# Altium PCB Goldstrike1_Rev01 2014 06 02 2.PcbDoc (part 5 of 6) (continued)
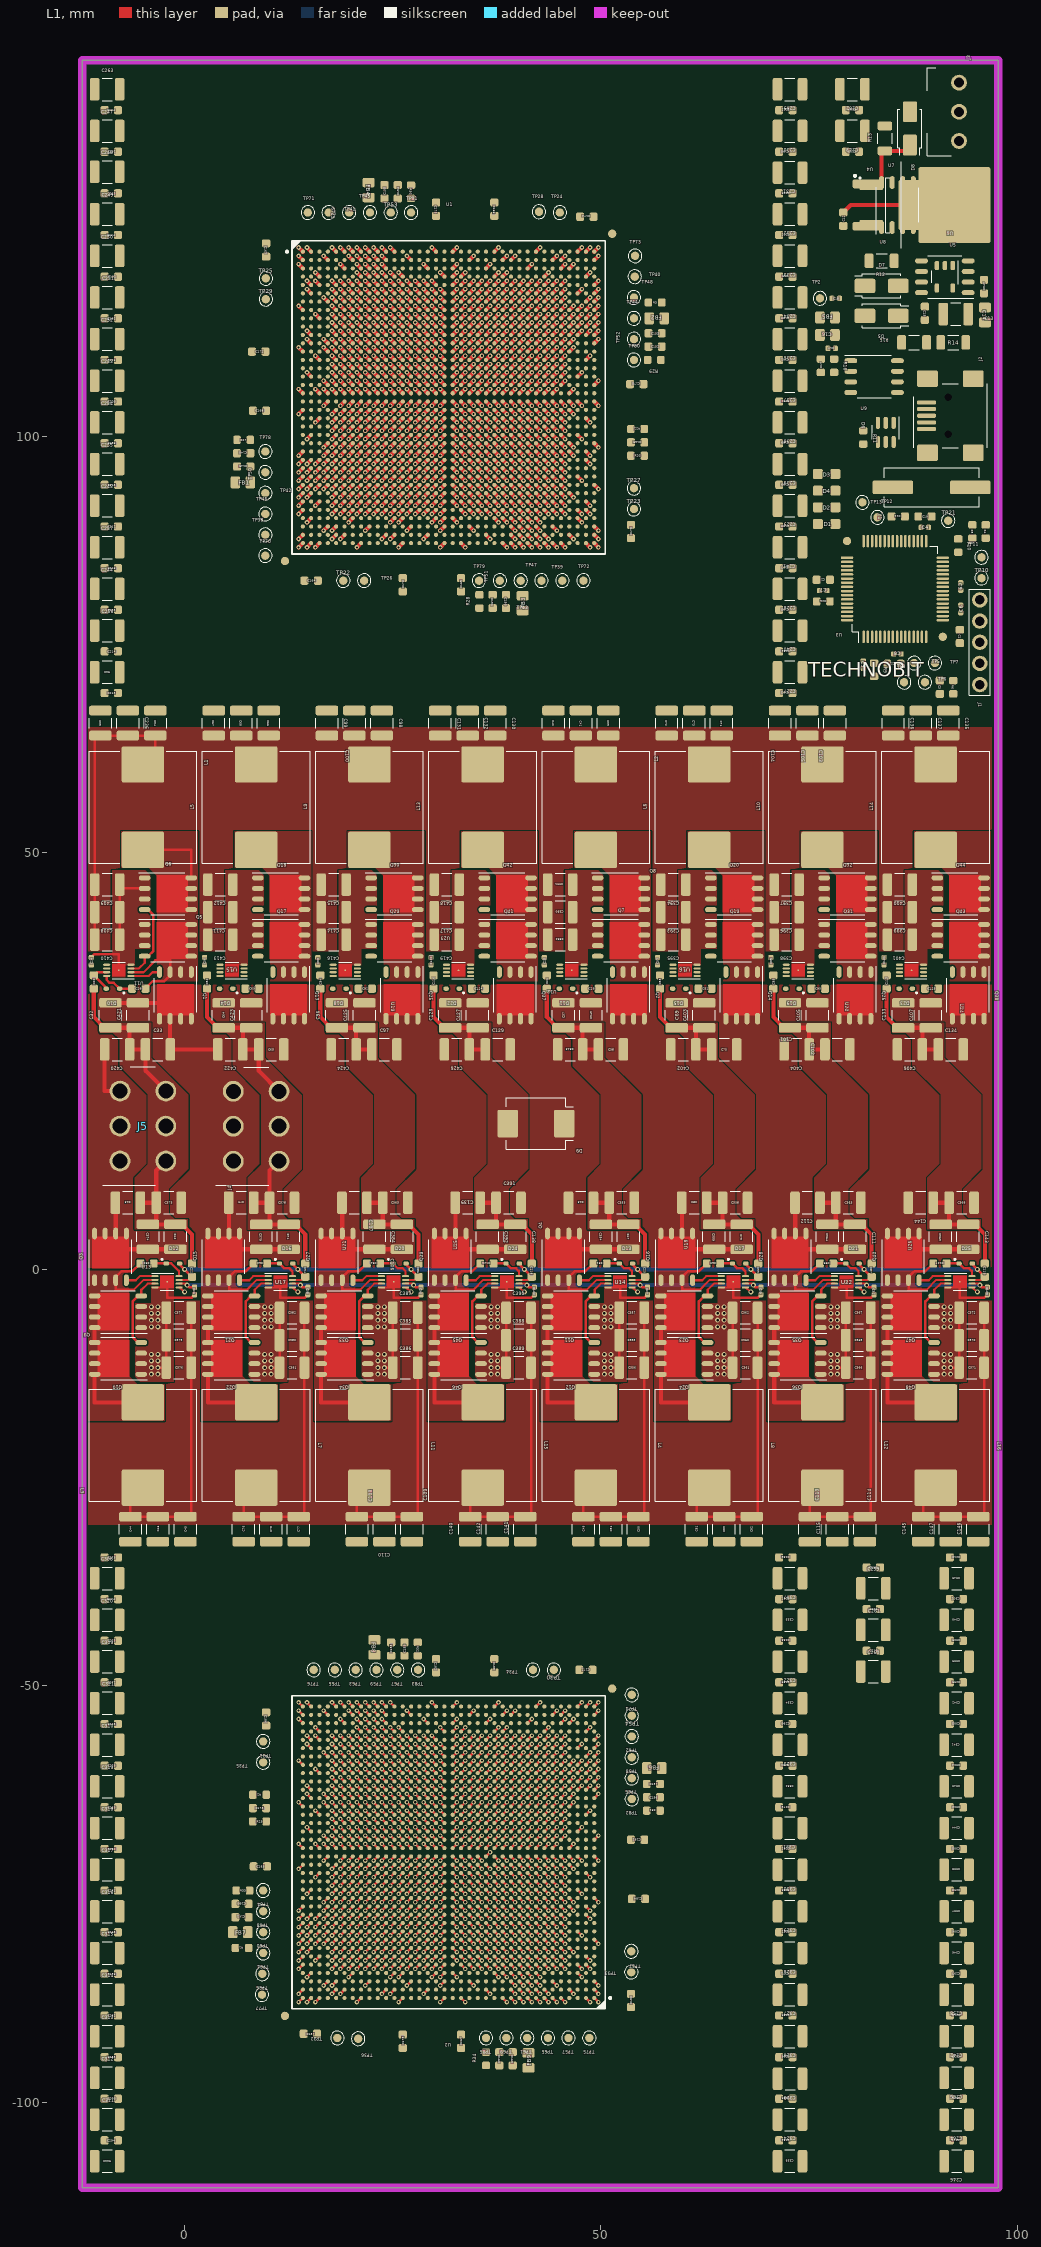
[diagram p0: L1 view]
## Nets (pads, with @x,y where several pads share a name; then routed paths per layer and width w, separated by ;. In a path a pad name is that pad's centre, name@x,y a point inside that pad or via, vN(x,y) a via of type N, cw(c..) or ccw(c..) an arc to the next point about the centre after c; other vN are vias at no path point) (continued)
  L1 w0.3: C24.2@-11.2,37.45 -10.8,37.85 -7.9,37.85 U11.9@-7.9,35.9 ; C410.1@-7.8,39.6 C408.1@-7.8,42.9 C409.1@-7.8,45.735 ; C409.1@-7.8,46.2 C409.1@-7.8,45.735 ; Q6.2@-4.8,45.735 C409.1@-7.8,45.735 ; v2(-3.2,-11.8) C376.1@-2.2,-11.8 C375.1@-2.2,-8.5 C377.1@-2.2,-5.2 ; U13.9@-2.1,-1.5 -2.1,-2.175 -2.1,-3.4 0.85,-3.4 C26.2@1.2,-3.05 ; v2(10.4,-11.8) C381.1@11.4,-11.8 C382.1@11.4,-5.2 ; U17.9@11.5,-1.5 11.5,-2.175 11.5,-3.4 14.45,-3.4 C58.2@14.8,-3.05 ; v1(13.7,-88) U2.A36@14.2,-87.5 ; v1(13.7,-87) U2.B36@14.2,-86.5 ; v1(13.7,-79) U2.K36@14.2,-78.5 ; v1(13.7,-77) U2.M36@14.2,-76.5 ; v1(13.7,-69) U2.W36@14.2,-69.5 ; v1(13.7,-59) U2.AJ36@14.2,-59.5 ; v1(13.7,-53) U2.AR36@14.2,-53.5 ; v1(13.7,-52) U2.AT36@14.2,-52.5 ; v1(14.7,-88) U2.A35@15.2,-87.5 ; v1(14.7,-80) U2.J35@15.2,-79.5 ; v1(14.7,-78) U2.L35@15.2,-77.5 ; v1(14.7,-62) U2.AF35@15.2,-62.5 ; v1(14.7,-56) U2.AM35@15.2,-56.5 ; v1(14.7,-52) U2.AT35@15.2,-52.5 ; v1(15.7,-83) U2.F34@16.2,-82.5 ; v1(15.7,-73) U2.T34@16.2,-72.5 ; v1(15.7,-69) U2.W34@16.2,-69.5 ; v1(15.7,-65) U2.AC34@16.2,-65.5 ; v1(15.7,-55) U2.AN34@16.2,-55.5 ; v1(16.7,-86) U2.C33@17.2,-85.5 ; v1(16.7,-76) U2.N33@17.2,-75.5 ; v1(16.7,-68) U2.Y33@17.2,-68.5 ; v1(16.7,-58) U2.AK33@17.2,-58.5 ; v1(17.7,-87) U2.B32@18.2,-86.5 ; v1(17.7,-83) U2.F32@18.2,-82.5 ; v1(17.7,-81) U2.H32@18.2,-80.5 ; v1(17.7,-79) U2.K32@18.2,-78.5 ; v1(17.7,-77) U2.M32@18.2,-76.5 ; v1(17.7,-75) U2.P32@18.2,-74.5 ; v1(17.7,-73) U2.T32@18.2,-72.5 ; v1(17.7,-72) U2.U32@18.2,-71.5 ; v1(17.7,-69) U2.W32@18.2,-69.5 ; v1(17.7,-67) U2.AA32@18.2,-67.5 ; v1(17.7,-65) U2.AC32@18.2,-65.5 ; v1(17.7,-63) U2.AE32@18.2,-63.5 ; v1(17.7,-61) U2.AG32@18.2,-61.5 ; v1(17.7,-59) U2.AJ32@18.2,-59.5 ; v1(18.7,-82) U2.G31@19.2,-81.5 ; v1(18.7,-80) U2.J31@19.2,-79.5 ; v1(18.7,-78) U2.L31@19.2,-77.5 ; v1(18.7,-76) U2.N31@19.2,-75.5 ; v1(18.7,-74) U2.R31@19.2,-73.5 ; v1(18.7,-72) U2.U31@19.2,-71.5 ; v1(18.7,-68) U2.Y31@19.2,-68.5 ; v1(18.7,-66) U2.AB31@19.2,-66.5 ; v1(18.7,-64) U2.AD31@19.2,-64.5 ; v1(18.7,-62) U2.AF31@19.2,-62.5 ; v1(18.7,-60) U2.AH31@19.2,-60.5 ; v1(18.7,-58) U2.AK31@19.2,-58.5 ; v1(18.7,-56) U2.AM31@19.2,-56.5 ; v1(18.7,-54) U2.AP31@19.2,-54.5 ; v1(19.7,-85) U2.D30@20.2,-84.5 ; v1(19.7,-83) U2.F30@20.2,-82.5 ; v1(19.7,-81) U2.H30@20.2,-80.5 ; v1(19.7,-79) U2.K30@20.2,-78.5 ; v1(19.7,-77) U2.M30@20.2,-76.5 ; v1(19.7,-75) U2.P30@20.2,-74.5 ; v1(19.7,-73) U2.T30@20.2,-72.5 ; v1(19.7,-71) U2.V30@20.2,-70.5 ; v1(19.7,-69) U2.W30@20.2,-69.5 ; v1(19.7,-67) U2.AA30@20.2,-67.5 ; v1(19.7,-65) U2.AC30@20.2,-65.5 ; v1(19.7,-63) U2.AE30@20.2,-63.5 ; v1(19.7,-61) U2.AG30@20.2,-61.5 ; v1(19.7,-59) U2.AJ30@20.2,-59.5 ; v1(19.7,-57) U2.AL30@20.2,-57.5 ; v1(20.7,-88) U2.A29@21.2,-87.5 ; v1(20.7,-84) U2.E29@21.2,-83.5 ; v1(20.7,-82) U2.G29@21.2,-81.5 ; v1(20.7,-80) U2.J29@21.2,-79.5 ; v1(20.7,-78) U2.L29@21.2,-77.5 ; v1(20.7,-76) U2.N29@21.2,-75.5 ; v1(20.7,-74) U2.R29@21.2,-73.5 ; v1(20.7,-72) U2.U29@21.2,-71.5 ; v1(20.7,-68) U2.Y29@21.2,-68.5 ; v1(20.7,-66) U2.AB29@21.2,-66.5 ; v1(20.7,-64) U2.AD29@21.2,-64.5 ; v1(20.7,-62) U2.AF29@21.2,-62.5 ; v1(20.7,-60) U2.AH29@21.2,-60.5 ; v1(20.7,-58) U2.AK29@21.2,-58.5 ; v1(20.7,-56) U2.AM29@21.2,-56.5 ; v1(21.7,-83) U2.F28@22.2,-82.5 ; v1(21.7,-81) U2.H28@22.2,-80.5 ; v1(21.7,-79) U2.K28@22.2,-78.5 ; v1(21.7,-77) U2.M28@22.2,-76.5 ; v1(21.7,-75) U2.P28@22.2,-74.5 ; v1(21.7,-73) U2.T28@22.2,-72.5 ; v1(21.7,-71) U2.V28@22.2,-70.5 ; v1(21.7,-69) U2.W28@22.2,-69.5 ; v1(21.7,-67) U2.AA28@22.2,-67.5 ; v1(21.7,-65) U2.AC28@22.2,-65.5 ; v1(21.7,-63) U2.AE28@22.2,-63.5 ; v1(21.7,-61) U2.AG28@22.2,-61.5 ; v1(21.7,-59) U2.AJ28@22.2,-59.5 ; v1(21.7,-57) U2.AL28@22.2,-57.5 ; v1(21.7,-53) U2.AR28@22.2,-53.5 ; v1(22.7,-84) U2.E27@23.2,-83.5 ; v1(22.7,-82) U2.G27@23.2,-81.5 ; v1(22.7,-80) U2.J27@23.2,-79.5 ; v1(22.7,-78) U2.L27@23.2,-77.5 ; v1(22.7,-76) U2.N27@23.2,-75.5 ; v1(22.7,-74) U2.R27@23.2,-73.5 ; v1(22.7,-72) U2.U27@23.2,-71.5 ; v1(22.7,-68) U2.Y27@23.2,-68.5 ; v1(22.7,-66) U2.AB27@23.2,-66.5 ; v1(22.7,-64) U2.AD27@23.2,-64.5 ; v1(22.7,-62) U2.AF27@23.2,-62.5 ; v1(22.7,-60) U2.AH27@23.2,-60.5 ; v1(22.7,-58) U2.AK27@23.2,-58.5 ; v1(22.7,-56) U2.AM27@23.2,-56.5 ; v1(22.7,-52) U2.AT27@23.2,-52.5 ; v1(23.7,-87) U2.B26@24.2,-86.5 ; v1(23.7,-83) U2.F26@24.2,-82.5 ; v1(23.7,-81) U2.H26@24.2,-80.5 ; v1(23.7,-79) U2.K26@24.2,-78.5 ; v1(23.7,-77) U2.M26@24.2,-76.5 ; v1(23.7,-75) U2.P26@24.2,-74.5 ; v1(23.7,-73) U2.T26@24.2,-72.5 ; v1(23.7,-71) U2.V26@24.2,-70.5 ; v1(23.7,-69) U2.W26@24.2,-69.5 ; v1(23.7,-67) U2.AA26@24.2,-67.5 ; v1(23.7,-65) U2.AC26@24.2,-65.5 ; v1(23.7,-63) U2.AE26@24.2,-63.5 ; v1(23.7,-61) U2.AG26@24.2,-61.5 ; v1(23.7,-59) U2.AJ26@24.2,-59.5 ; v1(23.7,-57) U2.AL26@24.2,-57.5 ; v1(23.7,-53) U2.AR26@24.2,-53.5 ; v2(24,-11.8) C386.1@25,-11.8 C385.1@25,-8.5 C387.1@25,-5.2 ; v1(24.7,-84) U2.E25@25.2,-83.5 ; v1(24.7,-82) U2.G25@25.2,-81.5 ; v1(24.7,-80) U2.J25@25.2,-79.5 ; v1(24.7,-78) U2.L25@25.2,-77.5 ; v1(24.7,-76) U2.N25@25.2,-75.5 ; v1(24.7,-74) U2.R25@25.2,-73.5 ; v1(24.7,-72) U2.U25@25.2,-71.5 ; v1(24.7,-68) U2.Y25@25.2,-68.5 ; v1(24.7,-66) U2.AB25@25.2,-66.5 ; v1(24.7,-64) U2.AD25@25.2,-64.5 ; v1(24.7,-62) U2.AF25@25.2,-62.5 ; v1(24.7,-60) U2.AH25@25.2,-60.5 ; v1(24.7,-58) U2.AK25@25.2,-58.5 ; v1(24.7,-56) U2.AM25@25.2,-56.5 ; v1(24.7,-52) U2.AT25@25.2,-52.5 ; U21.9@25.1,-1.5 25.1,-2.175 25.1,-3.4 28.05,-3.4 C90.2@28.4,-3.05 ; v1(25.7,-83) U2.F24@26.2,-82.5 ; v1(25.7,-81) U2.H24@26.2,-80.5 ; v1(25.7,-79) U2.K24@26.2,-78.5 ; v1(25.7,-77) U2.M24@26.2,-76.5 ; v1(25.7,-75) U2.P24@26.2,-74.5 ; v1(25.7,-73) U2.T24@26.2,-72.5 ; v1(25.7,-71) U2.V24@26.2,-70.5 ; v1(25.7,-69) U2.W24@26.2,-69.5 ; v1(25.7,-67) U2.AA24@26.2,-67.5 ; v1(25.7,-65) U2.AC24@26.2,-65.5 ; v1(25.7,-63) U2.AE24@26.2,-63.5 ; v1(25.7,-61) U2.AG24@26.2,-61.5 ; v1(25.7,-59) U2.AJ24@26.2,-59.5 ; v1(25.7,-57) U2.AL24@26.2,-57.5 ; v1(25.7,-55) U2.AN24@26.2,-55.5 ; v1(26.7,-86) U2.C23@27.2,-85.5 ; v1(26.7,-84) U2.E23@27.2,-83.5 ; v1(26.7,-82) U2.G23@27.2,-81.5 ; v1(26.7,-80) U2.J23@27.2,-79.5 ; v1(26.7,-78) U2.L23@27.2,-77.5 ; v1(26.7,-76) U2.N23@27.2,-75.5 ; v1(26.7,-74) U2.R23@27.2,-73.5 ; v1(26.7,-72) U2.U23@27.2,-71.5 ; v1(26.7,-68) U2.Y23@27.2,-68.5 ; v1(26.7,-66) U2.AB23@27.2,-66.5 ; v1(26.7,-64) U2.AD23@27.2,-64.5 ; v1(26.7,-62) U2.AF23@27.2,-62.5 ; v1(26.7,-60) U2.AH23@27.2,-60.5 ; v1(26.7,-58) U2.AK23@27.2,-58.5 ; v1(26.7,-56) U2.AM23@27.2,-56.5 ; v1(27.7,-83) U2.F22@28.2,-82.5 ; v1(27.7,-81) U2.H22@28.2,-80.5 ; v1(27.7,-79) U2.K22@28.2,-78.5 ; v1(27.7,-77) U2.M22@28.2,-76.5 ; v1(27.7,-75) U2.P22@28.2,-74.5 ; v1(27.7,-73) U2.T22@28.2,-72.5 ; v1(27.7,-71) U2.V22@28.2,-70.5 ; v1(27.7,-69) U2.W22@28.2,-69.5 ; v1(27.7,-67) U2.AA22@28.2,-67.5 ; v1(27.7,-65) U2.AC22@28.2,-65.5 ; v1(27.7,-63) U2.AE22@28.2,-63.5 ; v1(27.7,-61) U2.AG22@28.2,-61.5 ; v1(27.7,-59) U2.AJ22@28.2,-59.5 ; v1(27.7,-57) U2.AL22@28.2,-57.5 ; v1(28.7,-84) U2.E21@29.2,-83.5 ; v1(28.7,-82) U2.G21@29.2,-81.5 ; v1(28.7,-80) U2.J21@29.2,-79.5 ; v1(28.7,-78) U2.L21@29.2,-77.5 ; v1(28.7,-76) U2.N21@29.2,-75.5 ; v1(28.7,-74) U2.R21@29.2,-73.5 ; v1(28.7,-72) U2.U21@29.2,-71.5 ; v1(28.7,-68) U2.Y21@29.2,-68.5 ; v1(28.7,-66) U2.AB21@29.2,-66.5 ; v1(28.7,-64) U2.AD21@29.2,-64.5 ; v1(28.7,-62) U2.AF21@29.2,-62.5 ; v1(28.7,-60) U2.AH21@29.2,-60.5 ; v1(28.7,-58) U2.AK21@29.2,-58.5 ; v1(28.7,-56) U2.AM21@29.2,-56.5 ; v1(28.7,-54) U2.AP21@29.2,-54.5 ; v1(29.7,-85) U2.D20@30.2,-84.5 ; v1(29.7,-83) U2.F20@30.2,-82.5 ; v1(29.7,-81) U2.H20@30.2,-80.5 ; v1(29.7,-79) U2.K20@30.2,-78.5 ; v1(29.7,-77) U2.M20@30.2,-76.5 ; v1(29.7,-75) U2.P20@30.2,-74.5 ; v1(29.7,-73) U2.T20@30.2,-72.5 ; v1(29.7,-71) U2.V20@30.2,-70.5 ; v1(29.7,-69) U2.W20@30.2,-69.5 ; v1(29.7,-67) U2.AA20@30.2,-67.5 ; v1(29.7,-65) U2.AC20@30.2,-65.5 ; v1(29.7,-63) U2.AE20@30.2,-63.5 ; v1(29.7,-61) U2.AG20@30.2,-61.5 ; v1(29.7,-59) U2.AJ20@30.2,-59.5 ; v1(29.7,-57) U2.AL20@30.2,-57.5 ; v1(29.7,-56) U2.AM20@30.2,-56.5 ; v1(30.7,-88) U2.A19@31.2,-87.5 ; v1(30.7,-86) U2.C19@31.2,-85.5 ; v1(30.7,-84) U2.E19@31.2,-83.5 ; v1(30.7,-82) U2.G19@31.2,-81.5 ; v1(30.7,-80) U2.J19@31.2,-79.5 ; v1(30.7,-78) U2.L19@31.2,-77.5 ; v1(30.7,-76) U2.N19@31.2,-75.5 ; v1(30.7,-74) U2.R19@31.2,-73.5 ; v1(30.7,-72) U2.U19@31.2,-71.5 ; v1(30.7,-68) U2.Y19@31.2,-68.5 ; v1(30.7,-66) U2.AB19@31.2,-66.5 ; v1(30.7,-64) U2.AD19@31.2,-64.5 ; v1(30.7,-62) U2.AF19@31.2,-62.5 ; v1(30.7,-60) U2.AH19@31.2,-60.5 ; v1(30.7,-58) U2.AK19@31.2,-58.5 ; U2.G18@32.2,-81.5 v1(32.7,-82) ; U2.J18@32.2,-79.5 v1(32.7,-80) ; U2.L18@32.2,-77.5 v1(32.7,-78) ; U2.N18@32.2,-75.5 v1(32.7,-76) ; U2.R18@32.2,-73.5 v1(32.7,-74) ; U2.U18@32.2,-71.5 v1(32.7,-72) ; U2.Y18@32.2,-68.5 v1(32.7,-68) ; U2.AB18@32.2,-66.5 v1(32.7,-66) ; U2.AD18@32.2,-64.5 v1(32.7,-64) ; U2.AF18@32.2,-62.5 v1(32.7,-62) ; U2.AH18@32.2,-60.5 v1(32.7,-60) ; U2.AK18@32.2,-58.5 v1(32.7,-58) ; U2.AM18@32.2,-56.5 v1(32.7,-56) ; U2.AP18@32.2,-54.5 v1(32.7,-54) ; U2.AT18@32.2,-52.5 v1(32.7,-52) ; U2.E17@33.2,-83.5 v1(33.7,-84) ; U2.F17@33.2,-82.5 v1(33.7,-83) ; U2.H17@33.2,-80.5 v1(33.7,-81) ; U2.K17@33.2,-78.5 v1(33.7,-79) ; U2.M17@33.2,-76.5 v1(33.7,-77) ; U2.P17@33.2,-74.5 v1(33.7,-75) ; U2.T17@33.2,-72.5 v1(33.7,-73) ; U2.V17@33.2,-70.5 v1(33.7,-71) ; U2.W17@33.2,-69.5 v1(33.7,-69) ; U2.AA17@33.2,-67.5 v1(33.7,-67) ; U2.AC17@33.2,-65.5 v1(33.7,-65) ; U2.AE17@33.2,-63.5 v1(33.7,-63) ; U2.AG17@33.2,-61.5 v1(33.7,-61) ; U2.AJ17@33.2,-59.5 v1(33.7,-59) ; U2.AL17@33.2,-57.5 v1(33.7,-57) ; U2.AN17@33.2,-55.5 v1(33.7,-55) ; U2.C16@34.2,-85.5 v1(34.7,-86) ; U2.E16@34.2,-83.5 v1(34.7,-84) ; U2.G16@34.2,-81.5 v1(34.7,-82) ; U2.J16@34.2,-79.5 v1(34.7,-80) ; U2.L16@34.2,-77.5 v1(34.7,-78) ; U2.N16@34.2,-75.5 v1(34.7,-76) ; U2.R16@34.2,-73.5 v1(34.7,-74) ; U2.U16@34.2,-71.5 v1(34.7,-72) ; U2.Y16@34.2,-68.5 v1(34.7,-68) ; U2.AB16@34.2,-66.5 v1(34.7,-66) ; U2.AD16@34.2,-64.5 v1(34.7,-64) ; U2.AF16@34.2,-62.5 v1(34.7,-62) ; U2.AH16@34.2,-60.5 v1(34.7,-60) ; U2.AK16@34.2,-58.5 v1(34.7,-58) ; U2.AM16@34.2,-56.5 v1(34.7,-56) ; U2.F15@35.2,-82.5 v1(35.7,-83) ; U2.H15@35.2,-80.5 v1(35.7,-81) ; U2.K15@35.2,-78.5 v1(35.7,-79) ; U2.M15@35.2,-76.5 v1(35.7,-77) ; U2.P15@35.2,-74.5 v1(35.7,-75) ; U2.T15@35.2,-72.5 v1(35.7,-73) ; U2.V15@35.2,-70.5 v1(35.7,-71) ; U2.W15@35.2,-69.5 v1(35.7,-69) ; U2.AA15@35.2,-67.5 v1(35.7,-67) ; U2.AC15@35.2,-65.5 v1(35.7,-65) ; U2.AE15@35.2,-63.5 v1(35.7,-63) ; U2.AG15@35.2,-61.5 v1(35.7,-61) ; U2.AJ15@35.2,-59.5 v1(35.7,-59) ; U2.AL15@35.2,-57.5 v1(35.7,-57) ; U2.E14@36.2,-83.5 v1(36.7,-84) ; U2.G14@36.2,-81.5 v1(36.7,-82) ; U2.J14@36.2,-79.5 v1(36.7,-80) ; U2.L14@36.2,-77.5 v1(36.7,-78) ; U2.N14@36.2,-75.5 v1(36.7,-76) ; U2.R14@36.2,-73.5 v1(36.7,-74) ; U2.U14@36.2,-71.5 v1(36.7,-72) ; U2.Y14@36.2,-68.5 v1(36.7,-68) ; U2.AB14@36.2,-66.5 v1(36.7,-66) ; U2.AD14@36.2,-64.5 v1(36.7,-64) ; U2.AF14@36.2,-62.5 v1(36.7,-62) ; U2.AH14@36.2,-60.5 v1(36.7,-60) ; U2.AK14@36.2,-58.5 v1(36.7,-58) ; U2.AM14@36.2,-56.5 v1(36.7,-56) ; U2.AP14@36.2,-54.5 v1(36.7,-54) ; U2.D13@37.2,-84.5 v1(37.7,-85) ; U2.F13@37.2,-82.5 v1(37.7,-83) ; U2.H13@37.2,-80.5 v1(37.7,-81) ; U2.K13@37.2,-78.5 v1(37.7,-79) ; U2.M13@37.2,-76.5 v1(37.7,-77) ; U2.P13@37.2,-74.5 v1(37.7,-75) ; U2.T13@37.2,-72.5 v1(37.7,-73) ; U2.V13@37.2,-70.5 v1(37.7,-71) ; U2.W13@37.2,-69.5 v1(37.7,-69) ; U2.AA13@37.2,-67.5 v1(37.7,-67) ; U2.AC13@37.2,-65.5 v1(37.7,-65) ; U2.AE13@37.2,-63.5 v1(37.7,-63) ; U2.AG13@37.2,-61.5 v1(37.7,-61) ; U2.AJ13@37.2,-59.5 v1(37.7,-59) ; U2.AL13@37.2,-57.5 v1(37.7,-57) ; v2(37.6,-11.8) C389.1@38.6,-11.8 C388.1@38.6,-8.5 C390.1@38.6,-5.2 ; U2.A12@38.2,-87.5 v1(38.7,-88) ; U2.E12@38.2,-83.5 v1(38.7,-84) ; U2.G12@38.2,-81.5 v1(38.7,-82) ; U2.J12@38.2,-79.5 v1(38.7,-80) ; U2.L12@38.2,-77.5 v1(38.7,-78) ; U2.N12@38.2,-75.5 v1(38.7,-76) ; U2.R12@38.2,-73.5 v1(38.7,-74) ; U2.U12@38.2,-71.5 v1(38.7,-72) ; U2.Y12@38.2,-68.5 v1(38.7,-68) ; U2.AB12@38.2,-66.5 v1(38.7,-66) ; U2.AD12@38.2,-64.5 v1(38.7,-64) ; U2.AF12@38.2,-62.5 v1(38.7,-62) ; U2.AH12@38.2,-60.5 v1(38.7,-60) ; U2.AK12@38.2,-58.5 v1(38.7,-58) ; U2.AM12@38.2,-56.5 v1(38.7,-56) ; U25.9@38.7,-1.5 38.7,-2.175 38.7,-3.4 41.65,-3.4 C122.2@42,-3.05 ; U2.B11@39.2,-86.5 v1(39.7,-87) ; U2.F11@39.2,-82.5 v1(39.7,-83) ; U2.H11@39.2,-80.5 v1(39.7,-81) ; U2.K11@39.2,-78.5 v1(39.7,-79) ; U2.M11@39.2,-76.5 v1(39.7,-77) ; U2.P11@39.2,-74.5 v1(39.7,-75) ; U2.T11@39.2,-72.5 v1(39.7,-73) ; U2.V11@39.2,-70.5 v1(39.7,-71) ; U2.W11@39.2,-69.5 v1(39.7,-69) ; U2.AA11@39.2,-67.5 v1(39.7,-67) ; U2.AC11@39.2,-65.5 v1(39.7,-65) ; U2.AE11@39.2,-63.5 v1(39.7,-63) ; U2.AG11@39.2,-61.5 v1(39.7,-61) ; U2.AJ11@39.2,-59.5 v1(39.7,-59) ; U2.AL11@39.2,-57.5 v1(39.7,-57) ; U2.AR11@39.2,-53.5 v1(39.7,-53) ; U2.A10@40.2,-87.5 v1(40.7,-88) ; U2.E10@40.2,-83.5 v1(40.7,-84) ; U2.G10@40.2,-81.5 v1(40.7,-82) ; U2.J10@40.2,-79.5 v1(40.7,-80) ; U2.L10@40.2,-77.5 v1(40.7,-78) ; U2.N10@40.2,-75.5 v1(40.7,-76) ; U2.R10@40.2,-73.5 v1(40.7,-74) ; U2.U10@40.2,-71.5 v1(40.7,-72) ; U2.Y10@40.2,-68.5 v1(40.7,-68) ; U2.AB10@40.2,-66.5 v1(40.7,-66) ; U2.AD10@40.2,-64.5 v1(40.7,-64) ; U2.AF10@40.2,-62.5 v1(40.7,-62) ; U2.AH10@40.2,-60.5 v1(40.7,-60) ; U2.AK10@40.2,-58.5 v1(40.7,-58) ; U2.AM10@40.2,-56.5 v1(40.7,-56) ; U2.B9@41.2,-86.5 v1(41.7,-87) ; U2.F9@41.2,-82.5 v1(41.7,-83) ; U2.H9@41.2,-80.5 v1(41.7,-81) ; U2.K9@41.2,-78.5 v1(41.7,-79) ; U2.M9@41.2,-76.5 v1(41.7,-77) ; U2.P9@41.2,-74.5 v1(41.7,-75) ; U2.T9@41.2,-72.5 v1(41.7,-73) ; U2.V9@41.2,-70.5 v1(41.7,-71) ; U2.W9@41.2,-69.5 v1(41.7,-69) ; U2.AA9@41.2,-67.5 v1(41.7,-67) ; U2.AC9@41.2,-65.5 v1(41.7,-65) ; U2.AE9@41.2,-63.5 v1(41.7,-63) ; U2.AG9@41.2,-61.5 v1(41.7,-61) ; U2.AJ9@41.2,-59.5 v1(41.7,-59) ; U2.AL9@41.2,-57.5 v1(41.7,-57) ; U2.E8@42.2,-83.5 v1(42.7,-84) ; U2.G8@42.2,-81.5 v1(42.7,-82) ; U2.J8@42.2,-79.5 v1(42.7,-80) ; U2.L8@42.2,-77.5 v1(42.7,-78) ; U2.N8@42.2,-75.5 v1(42.7,-76) ; U2.R8@42.2,-73.5 v1(42.7,-74) ; U2.U8@42.2,-71.5 v1(42.7,-72) ; U2.Y8@42.2,-68.5 v1(42.7,-68) ; U2.AB8@42.2,-66.5 v1(42.7,-66) ; U2.AD8@42.2,-64.5 v1(42.7,-64) ; U2.AF8@42.2,-62.5 v1(42.7,-62) ; U2.AH8@42.2,-60.5 v1(42.7,-60) ; U2.AK8@42.2,-58.5 v1(42.7,-58) ; U2.AM8@42.2,-56.5 v1(42.7,-56) ; U2.AT8@42.2,-52.5 v1(42.7,-52) ; U2.F7@43.2,-82.5 v1(43.7,-83) ; U2.H7@43.2,-80.5 v1(43.7,-81) ; U2.K7@43.2,-78.5 v1(43.7,-79) ; U2.M7@43.2,-76.5 v1(43.7,-77) ; U2.P7@43.2,-74.5 v1(43.7,-75) ; U2.T7@43.2,-72.5 v1(43.7,-73) ; U2.V7@43.2,-70.5 v1(43.7,-71) ; U2.W7@43.2,-69.5 v1(43.7,-69) ; U2.AA7@43.2,-67.5 v1(43.7,-67) ; U2.AC7@43.2,-65.5 v1(43.7,-65) ; U2.AE7@43.2,-63.5 v1(43.7,-63) ; U2.AG7@43.2,-61.5 v1(43.7,-61) ; U2.AJ7@43.2,-59.5 v1(43.7,-59) ; U2.AL7@43.2,-57.5 v1(43.7,-57) ; U2.AN7@43.2,-55.5 v1(43.7,-55) ; U2.C6@44.2,-85.5 v1(44.7,-86) ; U2.E6@44.2,-83.5 v1(44.7,-84) ; U2.G6@44.2,-81.5 v1(44.7,-82) ; U2.J6@44.2,-79.5 v1(44.7,-80) ; U2.L6@44.2,-77.5 v1(44.7,-78) ; U2.N6@44.2,-75.5 v1(44.7,-76) ; U2.R6@44.2,-73.5 v1(44.7,-74) ; U2.U6@44.2,-71.5 v1(44.7,-72) ; U2.Y6@44.2,-68.5 v1(44.7,-68) ; U2.AB6@44.2,-66.5 v1(44.7,-66) ; U2.AD6@44.2,-64.5 v1(44.7,-64) ; U2.AF6@44.2,-62.5 v1(44.7,-62) ; U2.AH6@44.2,-60.5 v1(44.7,-60) ; U2.AK6@44.2,-58.5 v1(44.7,-58) ; U2.H5@45.2,-80.5 v1(45.7,-81) ; U2.K5@45.2,-78.5 v1(45.7,-79) ; U2.M5@45.2,-76.5 v1(45.7,-77) ; U2.P5@45.2,-74.5 v1(45.7,-75) ; U2.T5@45.2,-72.5 v1(45.7,-73) ; U2.V5@45.2,-70.5 v1(45.7,-71) ; U2.Y5@45.2,-68.5 v1(45.7,-68) ; U2.AA5@45.2,-67.5 v1(45.7,-67) ; U2.AC5@45.2,-65.5 v1(45.7,-65) ; U2.AE5@45.2,-63.5 v1(45.7,-63) ; U2.AG5@45.2,-61.5 v1(45.7,-61) ; U2.AJ5@45.2,-59.5 v1(45.7,-59) ; U2.AL5@45.2,-57.5 v1(45.7,-57) ; U2.AR5@45.2,-53.5 v1(45.7,-53) ; U2.G4@46.2,-81.5 v1(46.7,-82) ; U2.U4@46.2,-71.5 v1(46.7,-72) ; U2.AD4@46.2,-64.5 v1(46.7,-64) ; U2.AP4@46.2,-54.5 v1(46.7,-54) ; U2.D3@47.2,-84.5 v1(47.7,-85) ; U2.P3@47.2,-74.5 v1(47.7,-75) ; U2.V3@47.2,-70.5 v1(47.7,-71) ; U2.AA3@47.2,-67.5 v1(47.7,-67) ; U2.AL3@47.2,-57.5 v1(47.7,-57) ; U2.A2@48.2,-87.5 v1(48.7,-88) ; U2.E2@48.2,-83.5 v1(48.7,-84) ; U2.L2@48.2,-77.5 v1(48.7,-78) ; U2.AF2@48.2,-62.5 v1(48.7,-62) ; U2.AH2@48.2,-60.5 v1(48.7,-60) ; U2.AT2@48.2,-52.5 v1(48.7,-52) ; U2.A1@49.2,-87.5 v1(49.7,-88) ; U2.B1@49.2,-86.5 v1(49.7,-87) ; U2.H1@49.2,-80.5 v1(49.7,-81) ; U2.V1@49.2,-70.5 v1(49.7,-71) ; U2.AE1@49.2,-63.5 v1(49.7,-63) ; U2.AG1@49.2,-61.5 v1(49.7,-61) ; U2.AR1@49.2,-53.5 v1(49.7,-53) ; U2.AT1@49.2,-52.5 v1(49.7,-52) ; v2(51.2,-11.8) C356.1@52.2,-11.8 C355.1@52.2,-8.5 C357.1@52.2,-5.2 ; U14.9@52.3,-1.5 52.3,-2.175 52.3,-3.4 55.25,-3.4 C27.2@55.6,-3.05 ; v2(64.8,-11.8) C361.1@65.8,-11.8 C360.1@65.8,-8.5 C362.1@65.8,-5.2 ; U18.9@65.9,-1.5 65.9,-2.175 65.9,-3.4 68.85,-3.4 C59.2@69.2,-3.05 ; v2(78.4,-11.8) C366.1@79.4,-11.8 C365.1@79.4,-8.5 C367.1@79.4,-5.2 ; U22.9@79.5,-1.5 79.5,-2.175 79.5,-3.4 82.45,-3.4 C91.2@82.8,-3.05 ; v2(92,-11.8) C371.1@93,-11.8 C370.1@93,-8.5 C372.1@93,-5.2 ; U26.9@93.1,-1.5 93.1,-2.175 93.1,-3.4 96.05,-3.4 C123.2@96.4,-3.05